# Altium PCB USB2CAN.PcbDoc
Units mil, origin at the board's own origin, x right, y up, seen from the top; angles counter-clockwise.
Board outline 1830.71 x 1220.47 mil, 2 copper layers (Top Layer, Bottom Layer); 52 components, 47 nets, 301 pads, 79 vias.
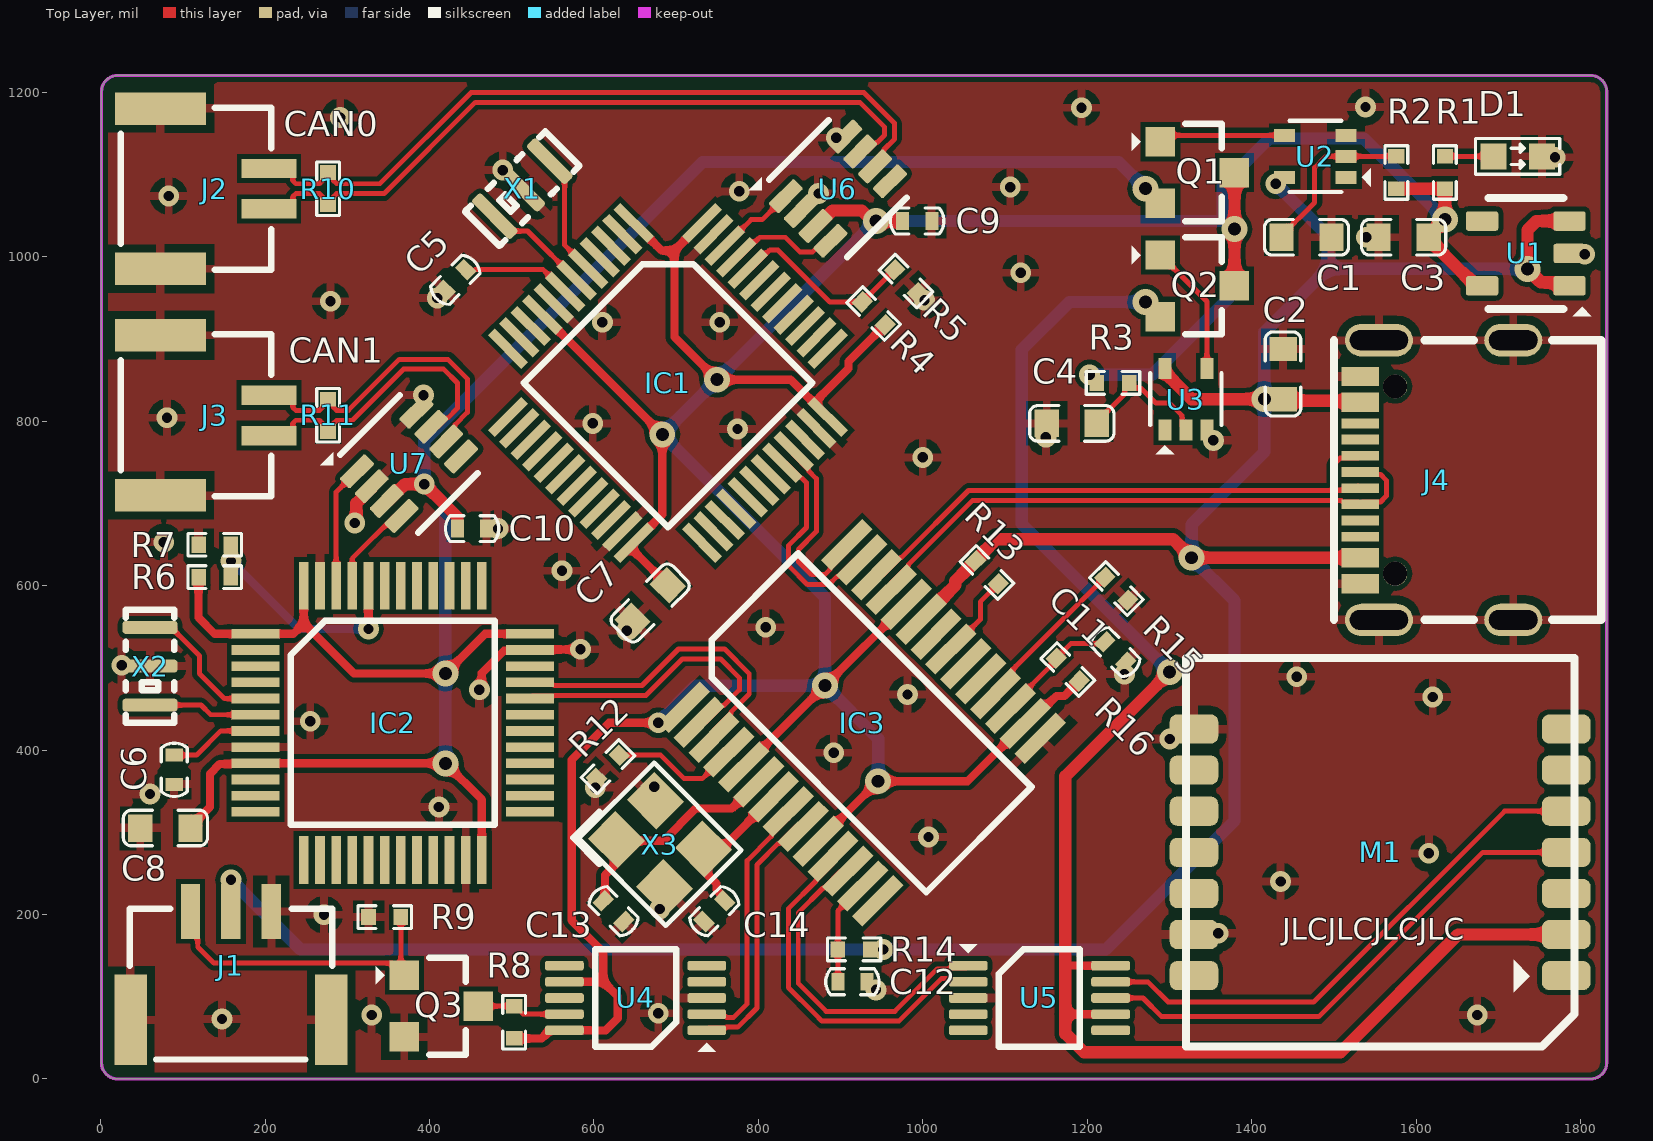
[diagram p0: Top Layer view]
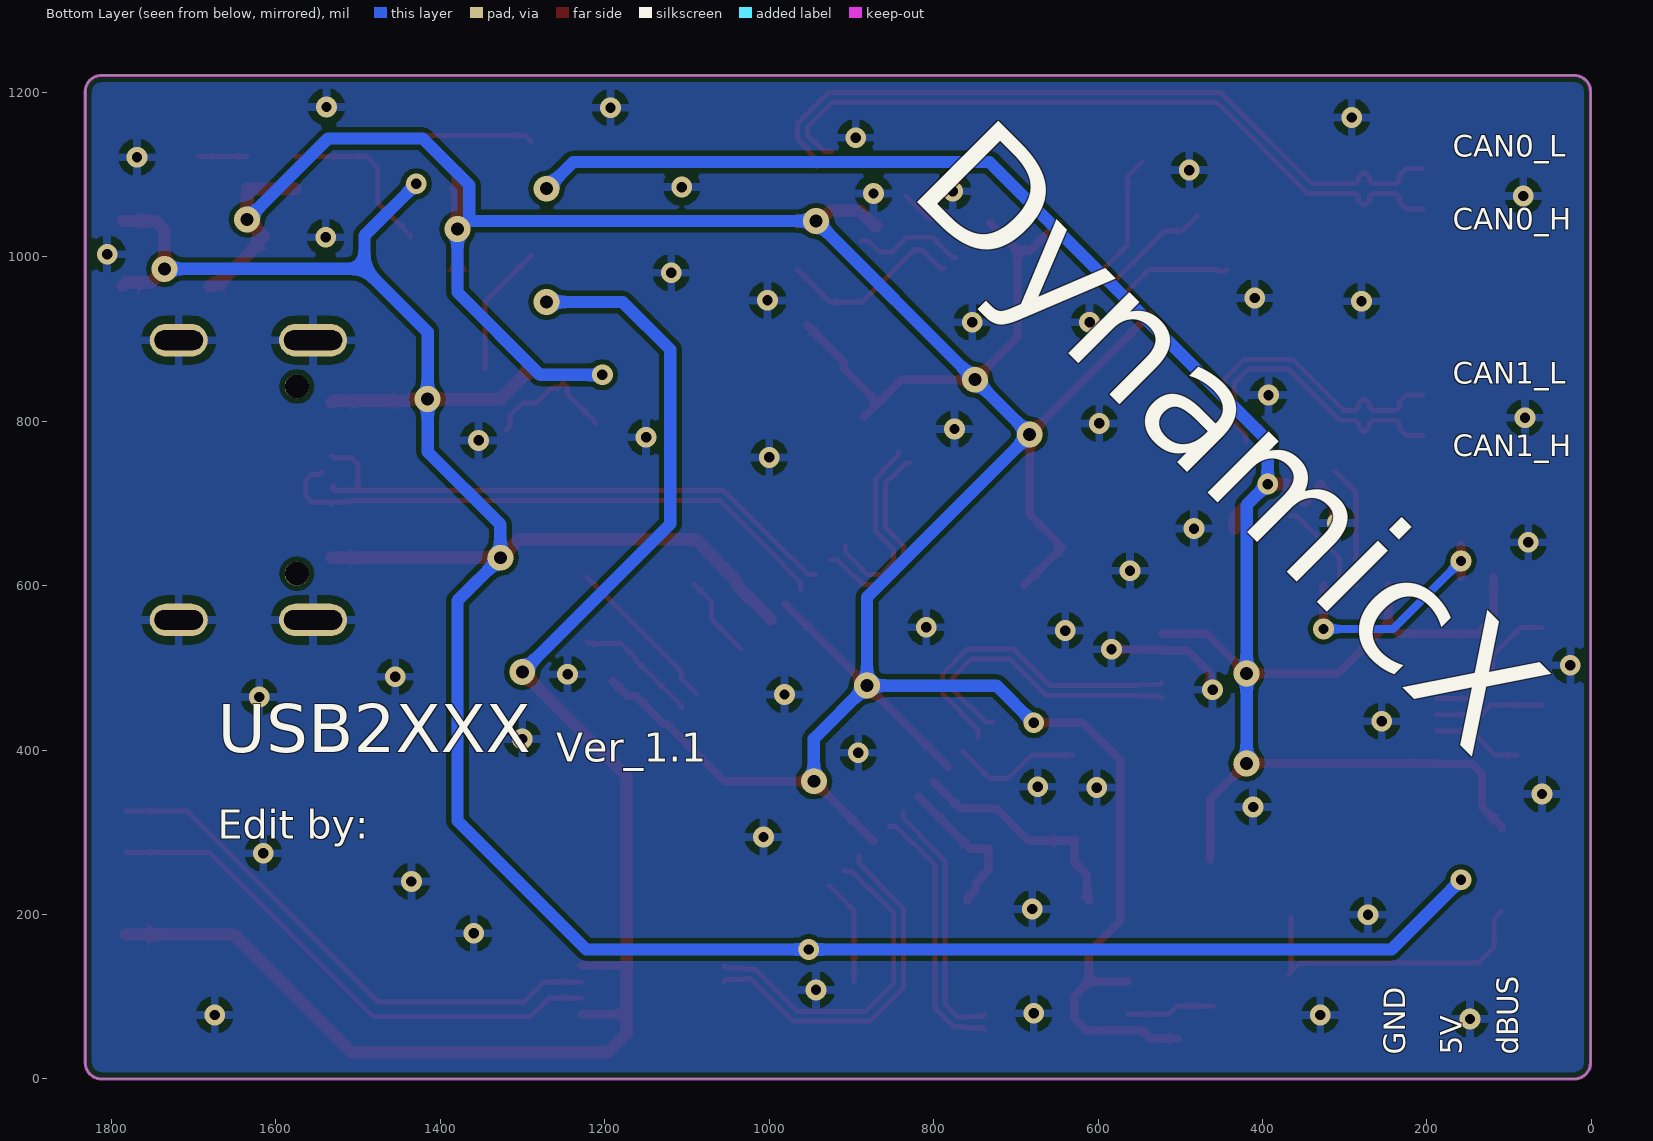
[diagram p1: Bottom Layer view, seen from below]
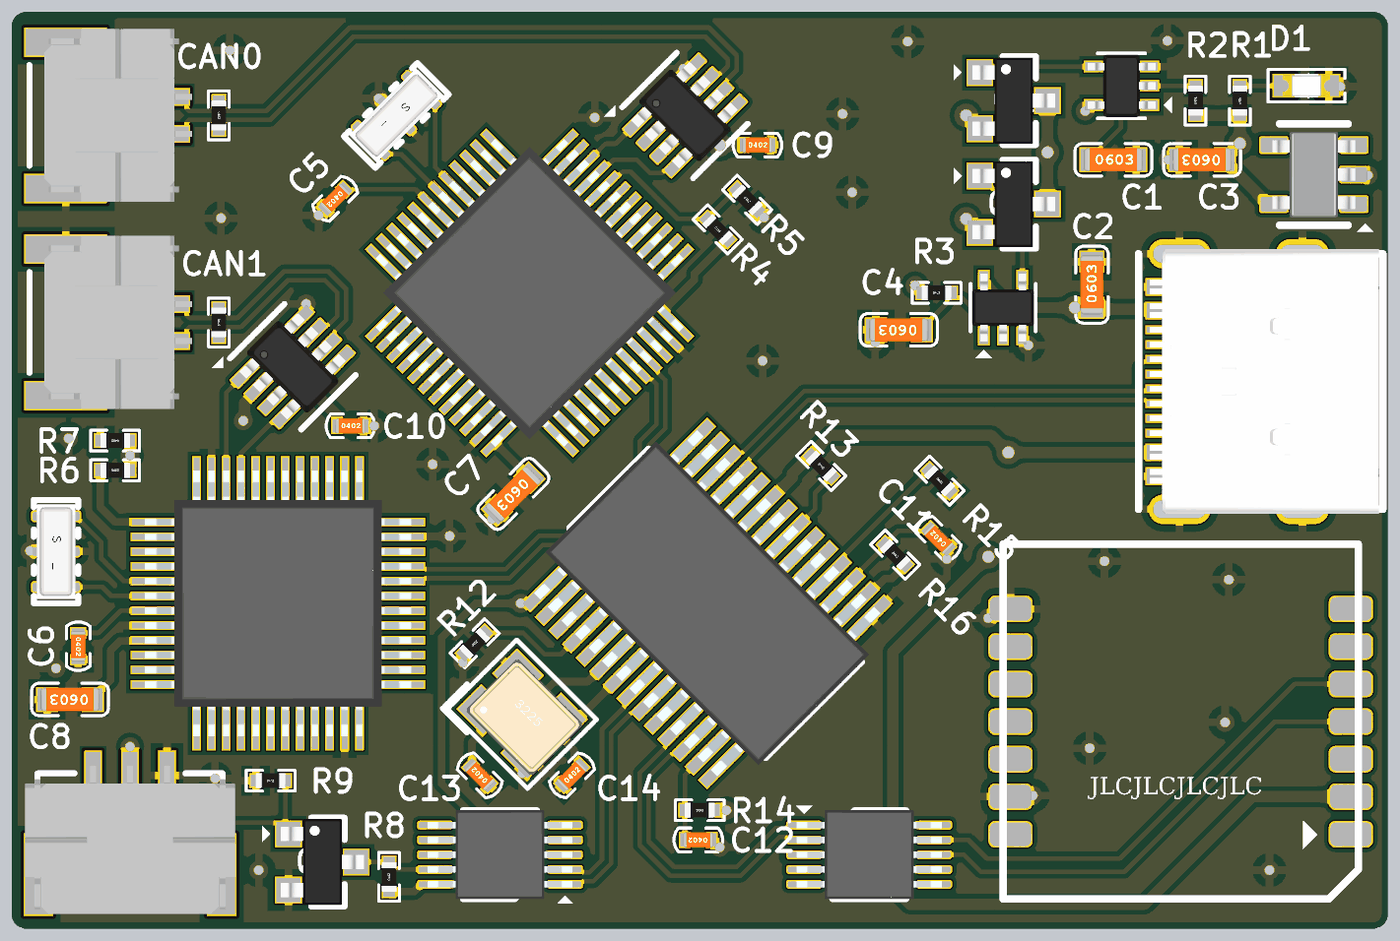
[diagram p2: 3D render of the assembled board from above, using the file's embedded part models]

## Layer stack, top to bottom
Top Solder: solder mask 0.4, Solder Resist, Dk 3.5
Top Layer: signal copper 1.4
Dielectric 1: dielectric 12.6, FR-4, Dk 4.8
Bottom Layer: signal copper 1.4
Bottom Solder: solder mask 0.4, Solder Resist, Dk 3.5

## Board outline
0.98,19.69 0.98,1200.79 cw(c20.67,1200.79) 20.67,1220.47 1812.01,1220.47 cw(c1812.01,1200.79) 1831.69,1200.79 1831.69,19.69 cw(c1812.01,19.69) 1812.01,0 20.67,0 cw(c20.67,19.69)

## Design rules (kind name [scope] priority, off if disabled: settings)
Clearance [All] p1: gap=6 ignorepadtopadclearanceinfootprint=TRUE except(0: Arc-Hole Track-Hole SMDPad-Hole THPad-Hole Via-Hole Fill-Hole Poly-Hole Region-Hole Text-Hole)
DiffPairsRouting [All] p1: maxlimit=10 minlimit=6 mostfreqgap=6 toplayer_minwidth=6 toplayer_maxwidth=15 toplayer_prefwidth=6 bottomlayer_minwidth=6 bottomlayer_maxwidth=15 bottomlayer_prefwidth=6 maxuncoupledlength=500
HoleSize [All] p1: absolutevalues=TRUE maxlimit=500 minlimit=1 maxpercent=80.000 minpercent=20.000
HoleToHoleClearance [All] p1: gap=1 allowstackedmicrovias=TRUE
MinimumSolderMaskSliver [All] p1: minsoldermaskwidth=1
PasteMaskExpansion [All] p1: expansion=-1.97
PlaneClearance [All] p1: clearance=10
PlaneConnect [All] p1: planeconnectstyle=Direct reliefexpansion=20 reliefentries=4 reliefconductorwidth=10 reliefairgap=10
PolygonConnect [All] p1: connectstyle=Relief reliefconductorwidth=10 reliefentries=4 polygonreliefangle="90 Angle" airgapwidth=10
RoomDefinition USB2ANY [InComponentClass('USB2ANY')] p1: confinementstyle=ConfineOut formatcopy=TRUE lockcomponents=FALSE outline 1855.04,32.87 2506.89,32.87 2506.89,632.87 1855.04,632.87
RoutingVias [All] p1: holewidth=12.6 width=25.2 viastyle="Through Hole" minholewidth=12.6 minwidth=25.2 maxholewidth=39.37 maxwidth=78.74
SilkToSilkClearance [All] p1: silktosilkclearance=1
SilkToSolderMaskClearance [IsPad] p1: minsilkscreentomaskgap=1 clearancetoexposedcopper=TRUE
SolderMaskExpansion [All] p1: expansion=1.97 istentingtop=FALSE
Width [All] p1: maxlimit=30 minlimit=6 preferedwidth=6
21 further rules are at their usual default settings.

## Classes and differential pairs
differential pair USB: +USB_P -USB_N
differential pair USB4D: +USB4D_P -USB4D_N
differential pair USB3D: +USB3D_P -USB3D_N
differential pair USB1D: +USB1D_P -USB1D_N
differential pair USB0D: +USB0D_P -USB0D_N
differential pair CAN1: +CAN1_P -CAN1_N
differential pair CAN0: +CAN0_P -CAN0_N

## Components (designator, comment, footprint, x,y, rotation, side; value= is the part's Value field where it differs from the comment)
C1 "10uF" 0603C(M1608C) 1436.02,1023.62 r0 top
C2 "10uF" 0603C(M1608C) 1437.99,826.77 r90 top
C3 "10uF" 0603C(M1608C) 1615.16,1023.62 r180 top
C4 "10uF" 0603C(M1608C) 1211.61,797.24 r180 top
C5 "100nF" 0402C(M1005C) 443.9,984.25 r225 top
C6 "100nF" 0402C(M1005C) 89.57,393.7 r270 top
C7 "10uF" 0603C(M1608C) 689.96,600.39 r225 top
C8 "10uF" 0603C(M1608C) 109.25,305.12 r180 top
C9 "100nF" 0402C(M1005C) 975.39,1043.31 r0 top
C10 "100nF" 0402C(M1005C) 434.06,669.29 r0 top
C11 "100nF" 0402C(M1005C) 1246.51,506.44 r135 top
C12 "100nF" 0402C(M1005C) 932.09,118.11 r180 top
C13 "10pF" 0402C(M1005C) 636.28,191.48 r135 top
C14 "10pF" 0402C(M1005C) 733.8,191.48 r45 top
D1 "LED" LED0603 1752.95,1122.05 r180 top
IC1 "STM32F072CBT6TR" QFP50P900X900X160-48N 689.96,846.46 r315 top
IC2 "STM32F072CBT6TR" QFP50P900X900X160-48N 355.32,433.07 r0 top
IC3 "GL850G-HH" SOP65P780X200-28N 926.18,433.07 r45 top
J1 "X1251WRS-03HF-LPSW" GH1.25-3P 158.46,137.8 r180 top
J2 "CAN0" GH1.25-2P 138.78,1082.68 r90 top
J3 "CAN1" GH1.25-2P 138.78,807.09 r90 top
J4 "TYPE-C16PIN" "Type-C 16P" 1625,728.35 r90 top
M1 "HI229 - imu" "HI229 - imu" 1556.1,275.59 r180 top
Q1 "AO3400" SOT23 1333.94,1102.36 r270 top
Q2 "AO3400" SOT23 1333.94,964.57 r270 top
Q3 "MMBT2222" SOT23 414.37,88.58 r270 top
R1 "1k" 0402R 1634.84,1082.68 r90 top
R2 "10k" 0402R 1575.79,1082.68 r90 top
R3 "10k" 0402R 1211.61,846.46 r0 top
R4 "R" 0402R 954.02,917.04 r135 top
R5 "1k" 0402R 965.55,984.25 r315 top
R6 "R" 0402R 119.09,610.24 r0 top
R7 "1k" 0402R 158.46,649.61 r180 top
R8 "4.7k" 0402R 502.95,49.21 r90 top
R9 "4.7k" 0402R 325.79,196.85 r0 top
R10 "120ohm" 0402R 276.57,1102.36 r270 top
R11 "120ohm" 0402R 276.57,826.77 r270 top
R12 "680ohm" 0402R 603.07,365.86 r45 top
R13 "10k" 0402R 1091.82,602.08 r135 top
R14 "10k" 0402R 936.02,157.48 r180 top
R15 "100k" 0402R 1221.46,610.24 r315 top
R16 "10k" 0402R 1190.24,483.97 r135 top
U1 "HX9193-33GB" SOT23_5 1733.27,1003.94 r90 top
U2 "74LVC1G17GW" SOT353 1477.36,1122.05 r90 top
U3 "74LVC1G17GW" SOT353 1319.88,826.77 r0 top
U4 "CH340E" VSSOP10 650.59,98.43 r180 top
U5 "CH340E" VSSOP10 1141.73,98.43 r0 top
U6 "MAX3051" SOT23_8 896.65,1082.68 r315 top
U7 "MAX3051" SOT23_8 375,748.03 r315 top
X1 "8MHz" X_3212-3pin 512.8,1082.68 r225 top
X2 "8MHz" X_3212-3pin 60.04,501.97 r270 top
X3 "12MhZ" "OSC 3225-4P" 680.12,285.43 r315 top

## Footprints (in the part's own frame and the unit in brackets; to place one, negate y for a bottom-side part, rotate by r counter-clockwise, add the part's x,y. Pads: shape width x height; smd on the part's side, far side on the other; paste and mask are expansions set on the pad)
0402C(M1005C) [mm]
  rect 0.4x0.55 smd mask+0.05: 1(0,0) 2(0.9,0)
  silkscreen extent -0.37,-0.4 1.27,0.4, body extent -0.06,-0.25 0.96,0.25, height 0.51
0402R [mm]
  rect 0.45x0.5 smd mask+0.05: 1(0,0) 2(1,0)
  silkscreen extent -0.33,-0.35 1.33,0.35, body extent 0,-0.25 1,0.25, height 0.35
0603C(M1608C) [mm]
  rect 0.75x0.85 smd mask+0.05: 1(0,0) 2(1.55,0)
  silkscreen extent -0.53,-0.55 2.07,0.55, body extent -0.23,-0.39 1.78,0.39, height 0.79
GH1.25-2P [mm]
  rect 0.6x1.7 smd mask+0.1: 1(-0.625,-1.675) 2(0.625,-1.675)
  rect 1x2.8 smd mask+0.1: 3(-2.475,1.675) 4(2.475,1.675)
  silkscreen extent -2.5,-1.75 2.5,2.9, body extent -2.93,-2.6 2.92,2.4, height 5.55
GH1.25-3P [mm]
  rect 0.6x1.7 smd mask+0.1: 1(-1.25,-1.675) 2(0,-1.675) 3(1.25,-1.675)
  rect 1x2.8 smd mask+0.1: 4(-3.1,1.675) 5(3.1,1.675)
  silkscreen extent -3.12,-1.75 3.13,2.9, body extent -3.55,-2 3.55,3, height 5.55
"HI229 - imu" [mm]
  rrect50% 1.5x0.9 smd: 5(-5.75,3.81) 6(-5.75,2.54) 7(-5.75,1.27) 8(-5.75,0) 9(-5.75,-1.27) 10(-5.75,-2.54) 11(-5.75,-3.81) 19(5.75,-3.81) 20(5.75,-2.54) 21(5.75,-1.27) 22(5.75,0) 23(5.75,1.27) 24(5.75,2.54) 25(5.75,3.81)
  silkscreen extent -6,-6 6,6
LED0603 [mm]
  rect 0.8x0.8 smd mask+0.1: 1(1.5,0) 2(0,0)
  silkscreen extent -0.55,-0.55 2.05,0.55, body extent -0.05,-0.4 1.55,0.4, height 0.65
"OSC 3225-4P" [mm]
  rect 1.3x1.2 smd: 1(-1.05,-0.85) 2(1.05,-0.85) 3(1.05,0.85) 4(-1.05,0.85)
  silkscreen extent -2.03,-1.75 1.9,1.65, body extent -1.47,-1.27 1.73,1.23, height 0.7
QFP50P900X900X160-48N [mm]
  rect 1.475x0.3 smd: 1(-4.238,2.75) 2(-4.238,2.25) 3(-4.238,1.75) 4(-4.238,1.25) 5(-4.238,0.75) 6(-4.238,0.25) 7(-4.238,-0.25) 8(-4.238,-0.75) 9(-4.238,-1.25) 10(-4.238,-1.75) 11(-4.238,-2.25) 12(-4.238,-2.75) 25(4.238,-2.75) 26(4.238,-2.25) 27(4.238,-1.75) 28(4.238,-1.25) 29(4.238,-0.75) 30(4.238,-0.25) 31(4.238,0.25) 32(4.238,0.75) 33(4.238,1.25) 34(4.238,1.75) 35(4.238,2.25) 36(4.238,2.75)
  rect 0.3x1.475 smd: 13(-2.75,-4.238) 14(-2.25,-4.238) 15(-1.75,-4.238) 16(-1.25,-4.238) 17(-0.75,-4.238) 18(-0.25,-4.238) 19(0.25,-4.238) 20(0.75,-4.238) 21(1.25,-4.238) 22(1.75,-4.238) 23(2.25,-4.238) 24(2.75,-4.238) 37(2.75,4.238) 38(2.25,4.238) 39(1.75,4.238) 40(1.25,4.238) 41(0.75,4.238) 42(0.25,4.238) 43(-0.25,4.238) 44(-0.75,4.238) 45(-1.25,4.238) 46(-1.75,4.238) 47(-2.25,4.238) 48(-2.75,4.238)
  silkscreen extent -3.15,-3.15 3.15,3.15, body extent -4.5,-4.5 4.5,4.5, height 1.6
SOP65P780X200-28N [mm]
  rect 1.8x0.45 smd: 1(-3.55,4.225) 2(-3.55,3.575) 3(-3.55,2.925) 4(-3.55,2.275) 5(-3.55,1.625) 6(-3.55,0.975) 7(-3.55,0.325) 8(-3.55,-0.325) 9(-3.55,-0.975) 10(-3.55,-1.625) 11(-3.55,-2.275) 12(-3.55,-2.925) 13(-3.55,-3.575) 14(-3.55,-4.225) 15(3.55,-4.225) 16(3.55,-3.575) 17(3.55,-2.925) 18(3.55,-2.275) 19(3.55,-1.625) 20(3.55,-0.975) 21(3.55,-0.325) 22(3.55,0.325) 23(3.55,0.975) 24(3.55,1.625) 25(3.55,2.275) 26(3.55,2.925) 27(3.55,3.575) 28(3.55,4.225)
  silkscreen extent -2.3,-5.1 2.3,5.1, body extent -3.9,-5.1 3.9,5.1, height 2
SOT23 [mm] "SOT23"
  rect 0.91x0.91 smd: 1(-0.952,-1.143) 2(0.952,-1.143) 3(0,1.143)
  silkscreen extent -1.5,-2.03 1.5,0.75, body extent -1.45,-1.4 1.45,1.4, height 1.3
SOT23_5 [mm] "SOT23_5"
  rrect25% 0.6x1 smd: 1(-1,-1.35) 3(1,-1.35) 4(1,1.35) 5(-1,1.35)
  rrect25% 0.6x0.99 smd: 2(0,-1.35)
  silkscreen extent -1.94,-2.02 1.71,1.15, body extent -1.45,-1.4 1.45,1.4, height 1.12
SOT23_8 [mm] "SOT23_8"
  rrect25% 0.45x1.1 smd mask+0.05: 1(-0.975,-1.3) 2(-0.325,-1.3) 3(0.325,-1.3) 4(0.975,-1.3) 5(0.975,1.3) 6(0.325,1.3) 7(-0.325,1.3) 8(-0.975,1.3)
  silkscreen extent -1.91,-1.97 1.7,1.3, body extent -1.47,-1.4 1.47,1.4, height 1.2
SOT353 [mm] "SOT353"
  rect 0.4x0.65 smd mask+0.05: 1(-0.65,-0.95) 2(0,-0.95) 3(0.65,-0.95) 4(0.65,0.95) 5(-0.65,0.95)
  silkscreen extent -1.1,-1.71 1.1,0.8, body extent -1.05,-1.15 1.05,1.15, height 1
"Type-C 16P" [mm]
  oval 1x2.099 hole 0.61 slot 1.8 at 90 deg: 1(-4.32,1.788) 2(4.32,1.787)
  oval 1x1.799 hole 0.61 slot 1.5 at 90 deg: 3(-4.32,-2.363) 4(4.32,-2.363)
  rect 0.6x1.15 smd: A1B12(-3.2,2.363) A4B9(-2.4,2.363) B1A12(3.2,2.363) B4A9(2.4,2.363)
  rect 0.3x1.15 smd: A5(-1.25,2.363) A6(-0.25,2.363) A7(0.25,2.363) A8(-1.75,2.363) B5(1.75,2.363) B6(0.75,2.363) B7(-0.75,2.363) B8(1.25,2.363)
  round 0.75 hole 0.75 unplated: ""(-2.89,1.288) ""(2.89,1.288)
  silkscreen extent -4.32,-5.08 4.32,3.17, body extent -4.48,-4.95 4.48,2.8, height 3.26
VSSOP10 [mm]
  rrect50% 1.2x0.3 smd mask+0.05: 1(-2.2,1) 2(-2.2,0.5) 3(-2.2,0) 4(-2.2,-0.5) 5(-2.2,-1) 6(2.2,-1) 7(2.2,-0.5) 8(2.2,0) 9(2.2,0.5) 10(2.2,1)
  silkscreen extent -2.48,-1.5 1.25,1.66, body extent -2.45,-1.5 2.45,1.5, height 1.1
X_3212-3pin [mm]
  rrect50% 0.4x1.7 smd mask+0.05: 1(-1.2,0) 2(0,0) 3(1.2,0)
  silkscreen extent -1.75,-0.75 1.75,0.75, body extent -1.6,-0.65 1.6,0.65, height 1.02

## Part data
C1 C2 C3 C4 C5 C6 C7 C8 C9 C10 C11 C12 C13 C14: library part C, PSPICETEMPLATE="X^@REFDES  %1    %2   @NV_PN", IMPLEMENTATION_TYPE="Pspice Model", OriginalSymbolOrigin=(-50,50)
IC1 IC2: "Integrated Circuit", Manufacturer_Name=STMicroelectronics, Mouser Part Number=511-STM32F072CBT6TR, RS Part Number=1923612, Datasheet Link=https://www.mouser.com/datasheet/2/389/stm32f072c8-956183.pdf, Height=1.6mm, Manufacturer_Part_Number=STM32F072CBT6TR, Mouser Price/Stock=https://www.mouser.com/Search/Refine.aspx?Keyword=511-STM32F072CBT6TR, RS Price/Stock=http://uk.rs-online.com/web/p/products/1923612
IC3: "Integrated Circuit", Manufacturer_Name=Genesys, Arrow Part Number=GL850G-HH, Datasheet Link=https://www.kean.com.au/oshw/WR703N/GL850G%20USB%20Hub%201.07.pdf, Height=2mm, Manufacturer_Part_Number=GL850G-HH
J1: library part CON_GH1.25_3P, ComponentLink1Description="Materials' link", ComponentLink1URL=https://item.szlcsc.com/363978.html
J2 J3: library part CON_GH1.25_2P, ComponentLink1Description="Materials' link", ComponentLink1URL=https://item.szlcsc.com/363977.html
J4: library part CON_USB3#1, BOM_Manufacturer="SHOU HAN", BOM_Manufacturer Part=TYPE-C16PIN, BOM_Supplier=LCSC, BOM_Supplier Part=C393939, ComponentLink1Description="Materials' link", ComponentLink1URL=https://item.szlcsc.com/372551.html, Contributor=LCSC, spicePre=U, spiceSymbolName=TYPE-C16PIN
M1: library part MD_IMU
Q1 Q2: library part Q_FET_N
Q3: library part Q_NPN, PSPICETEMPLATE="X^@REFDES %C %B %E @NV_PN", IMPLEMENTATION_TYPE="Pspice Model", OriginalSymbolOrigin=(-50,150)
R1 R2 R3 R5 R7 R8 R9 R10 R11 R12 R13 R14 R15 R16: library part R, PSPICETEMPLATE="X^@REFDES  %1    %2   @NV_PN", IMPLEMENTATION_TYPE="Pspice Model", OriginalSymbolOrigin=(-50,100)
R4 R6: PSPICETEMPLATE="X^@REFDES  %1    %2   @NV_PN", IMPLEMENTATION_TYPE="Pspice Model", OriginalSymbolOrigin=(-50,100)
U1: library part U_LDO, ComponentLink1Description="Materials' link", ComponentLink1URL=https://item.szlcsc.com/241915.html
U2 U3: library part U_Schmitt, ComponentLink1Description="Materials' link", ComponentLink1URL=https://item.szlcsc.com/125568.html
U4 U5: library part U_UART_TRANS
U6 U7: library part U_CAN_TRANS#1, ComponentLink1Description="Materials' link", ComponentLink1URL=https://item.szlcsc.com/113237.html
X1 X2: library part XTAL_3P, "3脚陶瓷振荡器"
X3: library part XTAL_4P, "4脚无源晶振"

## Via types
v1: diameter 25.2, hole 12.6, Top Layer to Bottom Layer, tented both sides, 64 vias
v2: diameter 31.5, hole 15.75, Top Layer to Bottom Layer, tented both sides, 15 vias

## Nets (pads, with @x,y where several pads share a name; then routed paths per layer and width w, separated by ;. In a path a pad name is that pad's centre, name@x,y a point inside that pad or via, vN(x,y) a via of type N, cw(c..) or ccw(c..) an arc to the next point about the centre after c; other vN are vias at no path point)
+3.3: C3.1 C7.1 C9.1 IC1.1 IC1.9 IC1.24 IC1.36 IC1.48 IC3.1 IC3.5 IC3.10 IC3.16 IC3.24 Q1.3 Q2.3 R1.1 R2.1 R3.1 R4.1 R8.1 R16.1 U1.5 U4.7 U4.10 U6.3 | length 5008.8
  Top Layer w10: R8.1 536.42,49.21 546.26,59.06 U4.10 614.17,59.06 628.94,73.82 628.94,100.44 611.27,118.11 ; IC1.9 v2(683.07,783.75) 683.07,686.45 IC1.24 644.13,647.51 644.13,646.23 C7.1 ; U4.7 611.27,118.11 ; IC1.1 682.09,1007.44 697.83,1007.44 ; v1(678.15,433.07) 618.11,433.07 572.83,387.8 572.83,192.91 611.27,154.48 611.27,118.11 ; IC1.48 697.83,1007.44 ; IC3.5 v2(880.94,478.31) IC3.24 ; IC3.10 v2(945.64,362.05) 1054.21,362.05 IC3.16 1128.89,432.38 1162.37,465.86 1172.13,465.86 R16.1 ; IC1.36 IC1.36@868.14,821.39 ; R4.1 909.37,872.39 909.37,863.89 868.14,822.67 IC1.36@868.14,821.39 ; 697.83,1007.44 697.83,902.27 v2(749.72,850.39) 839.14,850.39 IC1.36@868.14,821.39
  Top Layer w15: U6.3 871.43,1037.44 890.1,1056.1 925.65,1056.1 938.45,1043.31 v2(942.91,1043.31) C9.1 ; Q2.3 v2(1378.94,1033.46) Q1.3 ; R2.1 R1.1 v2(1634.84,1045.28) 1615.16,1025.59 C3.1 1622.42,1016.36 1622.42,1014.39 1672.24,964.57 U1.5
  Bottom Layer w15: v1(678.15,433.07) 723.39,478.31 v2(880.94,478.31) ; v2(945.64,362.05) 945.64,413.61 v2(880.94,478.31) ; v1(1202.76,856.3) 1278.54,856.3 1378.94,956.69 v2(1378.94,1033.46) ; v2(1634.84,1045.28) 1536.42,1143.7 1421.26,1143.7 1364.63,1087.07 1364.63,1043.31 v2(942.91,1043.31) 942.77,1043.31 749.86,850.39 v2(749.72,850.39) v2(683.07,783.75) 880.94,585.88 v2(880.94,478.31)
+3.3*: C8.1 C10.1 IC2.1 IC2.9 IC2.24 IC2.36 IC2.48 Q1.2 R6.1 U7.3 | length 2619.4
  Top Layer w10: C8.1 109.25,307.09 132.87,330.71 132.87,371.06 144.76,382.95 187.56,382.95 IC2.9 v2(419.29,383.86) 463.58,339.57 IC2.24 ; R6.1 119.09,561.02 138.78,541.34 IC2.1 234.25,541.34 247.05,554.13 ; IC2.48 247.05,554.13 ; IC2.36 467.52,541.34 v2(419.29,493.11) 308.07,493.11 247.05,554.13
  Top Layer w15: U7.3 349.78,702.79 370.41,723.43 v1(393.7,723.43) 434.06,683.07 C10.1
  Bottom Layer w15: v2(419.29,383.86) v2(419.29,493.11) 419.29,697.83 v1(393.7,723.43) 393.7,776.57 732.28,1115.16 1238.19,1115.16 v2(1270.67,1082.68)
+3.3**: M1.6 Q2.2 U5.7 U5.10 | length 1922.5
  Top Layer w10: 1173.23,78.74 U5.7 ; 1173.23,139.76 1175.2,137.8 U5.10
  Top Layer w15: v2(1300.2,495.08) 1173.23,368.11 1173.23,139.76 1173.23,78.74 1173.23,55.12 1195.87,32.48 1507.87,32.48 1650.98,175.59 M1.6
  Bottom Layer w15: v2(1270.67,944.88) 1178.15,944.88 1120.08,886.81 1120.08,675.2 v2(1300.2,495.08)
+5: C2.1 IC3.23 J1.2 J4.A4B9 J4.B4A9 R13.2 R14.1 U1.1 U1.3 U2.5 U3.5 | length 3463.2
  Top Layer w15: IC3.23 1039.49,600.66 1039.49,605.43 R13.2 1062.99,629.92 1089.57,656.5 1304.19,656.5 v2(1326.83,633.86) J4.A4B9 ; U3.5 1294.29,859.25 1326.77,826.77 v2(1415.35,826.77) C2.1 1439.96,824.8 1530.02,824.8 J4.B4A9 ; U1.1 1782.11,968.88 1751.59,968.88 v2(1735.24,985.24) 1735.24,1032.48 1746.06,1043.31 U1.3
  Bottom Layer w15: v1(158.46,242.13) 243.11,157.48 v1(951.77,157.48) 1222.44,157.48 1378.94,313.98 1378.94,581.75 v2(1326.83,633.86) 1326.83,674.27 1415.35,762.8 v2(1415.35,826.77) 1415.35,908.46 1492.13,985.24 ; v1(1429.13,1088.58) 1492.13,1025.59 1492.13,985.24 ; v2(1735.24,985.24) 1492.13,985.24
CAN0_N: J2.1 R10.2 U6.7 | length 882.5
  Top Layer w6: J2.1 225.07,1058.07 233.88,1066.88 233.88,1073.16 237.39,1076.68 266.22,1076.68 269.73,1073.16 269.73,1068.85 275.59,1062.99 R10.2 277.56,1062.99 283.42,1068.85 283.42,1073.16 286.93,1076.68 344.61,1076.68 455.61,1187.68 923.28,1187.68 953.45,1157.5 953.45,1147.96 944.28,1138.79 942.95,1138.79 932.08,1127.92 U6.7
CAN0_P: J2.2 R10.1 U6.6 | length 912.3
  Top Layer w6: J2.2 225.07,1107.28 233.88,1098.47 233.88,1092.19 237.39,1088.68 266.22,1088.68 269.73,1092.19 269.73,1096.5 275.59,1102.36 R10.1 277.56,1102.36 283.42,1096.5 283.42,1092.19 286.93,1088.68 339.64,1088.68 450.64,1199.68 928.25,1199.68 965.45,1162.47 965.45,1142.99 952.76,1130.3 952.76,1128.98 941.89,1118.11 U6.6
CAN0_RX: IC1.45 U6.4 | length 137.5
  Top Layer w6: IC1.45 777.25,999.24 801.64,1023.62 832.68,1023.62 850.39,1005.91 865.88,1005.91 879.32,1019.34 U6.4
CAN0_TX: IC1.46 U6.1 | length 99.1
  Top Layer w6: IC1.46 791.04,1044.98 804.67,1044.98 U6.1
CAN1_N: J3.1 R11.2 U7.7 | length 361.8
  Top Layer w6: J3.1 225.07,782.48 233.88,791.29 233.88,797.57 237.39,801.09 249.09,801.09 266.22,801.09 269.73,797.57 269.73,793.26 275.59,787.4 R11.2 277.56,787.4 283.42,793.26 283.42,797.57 286.93,801.09 306.25,801.09 368.35,863.19 417.32,863.19 434.06,846.46 434.06,815.57 422.62,804.14 421.3,804.14 410.43,793.27 U7.7
CAN1_P: J3.2 R11.1 U7.6 | length 391.6
  Top Layer w6: J3.2 225.07,831.69 233.88,822.88 233.88,816.6 237.39,813.09 244.12,813.09 266.22,813.09 269.73,816.6 269.73,820.91 275.59,826.77 R11.1 277.56,826.77 283.42,820.91 283.42,816.6 286.93,813.09 301.28,813.09 363.38,875.19 422.29,875.19 446.06,851.43 446.06,810.6 431.11,795.65 431.11,794.33 420.24,783.46 U7.6
CAN1_RX: IC2.45 U7.4 | length 114.4
  Top Layer w6: IC2.45 306.1,633.13 357.67,684.7 U7.4
CAN1_TX: IC2.46 U7.1 | length 149.5
  Top Layer w6: IC2.46 286.42,713.73 U7.1
CAN_ON: Q1.1 U2.4 | length 154.3
  Top Layer w6: Q1.1 1296.73,1147.64 U2.4
dBUS: J1.3 Q3.1 R9.2 | length 379
  Top Layer w6: J1.3 118.06,194.93 118.06,160.48 137.57,140.98 354.46,140.98 Q3.1@365.16,130.28 ; R9.2 Q3.1@365.16,130.28 ; Q3.1 Q3.1@365.16,130.28
GND: C1.2 C2.2 C3.2 C4.2 C5.2 C6.2 C7.2 C8.2 C9.2 C10.2 C11.1 C12.1 C13.1 C14.1 D1.2 IC1.8 IC1.23 IC1.35 IC1.47 IC2.8 IC2.23 IC2.35 IC2.47 IC3.15 J1.1 J1.4 J1.5 J2.3 J2.4 J3.3 J3.4 J4.1 J4.2 J4.3 J4.4 J4.A1B12 J4.B1A12 M1.19 M1.24 Q3.2 R5.2 R7.2 R9.1 R12.1 R15.2 U1.2 U2.3 U3.3 U4.3 U5.3 U6.2 U6.8 U7.2 U7.8 X1.2 X2.2 X3.2 X3.4 | length 207
  Top Layer w10: v1(460.63,473.43) 463.54,476.33 463.54,493.84 490.45,520.75 521.26,520.75 IC2.35 522.66,522.15 583.17,522.15 v1(583.66,522.64)
  Top Layer w15: v1(309.06,676.18) 311.01,678.13 311.01,700.21 329.76,718.97 U7.2
  other v1: 147.64,72.83 329.72,77.76 1674.21,77.76 678.15,79.72 942.91,108.27 1359.25,177.17 271.65,199.8 680.12,206.69 1435.04,240.16 1615.16,274.61 1006.89,294.29 411.42,330.71 60.04,346.46 601.38,354.33 673.23,355.32 891.73,396.65 1300.2,413.39 254.92,435.04 1620.08,464.57 981.3,467.52 1454.72,489.17 1245.08,492.13 25.59,502.95 639.76,545.28 809.06,549.21 561.02,618.11 76.77,652.56 483.27,669.29 1000,755.91 1353.35,776.57 1149.61,780.51 774.61,790.35 598.43,797.24 80.71,804.13 392.72,831.69 610.24,920.28 752.95,920.28 279.53,945.87 1001.97,946.85 409.45,949.8 1119.09,980.32 1805.12,1002.95 1539.37,1023.62 82.68,1073.82 873.03,1076.77 776.57,1079.72 1106.3,1084.65 489.17,1105.32 1768.7,1121.06 894.69,1144.69 291.34,1169.29 1192.91,1181.1 1538.39,1182.09
IMU_ON: Q2.1 U3.4 | length 161.3
  Top Layer w6: Q2.1 1345.47,945.51 U3.4
NetC1_1: C1.1 R2.2 U2.2 | length 206.5
  Top Layer w6: C1.1 1436.02,1025.59 1476.38,1065.94 1476.38,1108.27 1490.16,1122.05 U2.2 R2.2
NetC4_1: C4.1 R3.2 U3.2 | length 166.1
  Top Layer w6: C4.1 1211.61,799.21 1245.13,832.72 1245.13,840.6 R3.2 1250.98,845.47 1256.84,839.61 1265.7,839.61 1283.46,821.85 1300.2,821.85 1315.01,807.04 1315.01,794.24 U3.2
NetC5_1: C5.1 IC1.7 | length 133.9
  Top Layer w6: C5.1 445.99,982.16 452.88,982.16 454.97,984.25 538.25,984.25 IC1.7
NetC6_1: C6.1 IC2.7 | length 111.1
  Top Layer w6: C6.1 116.6,393.7 146.13,423.23 IC2.7
NetC11_2: C11.2 IC3.17 R16.2 | length 151.7
  Top Layer w6: IC3.17 1106.44,453.16 1162.4,509.12 R16.2 1180,529.41 1219.37,529.41 C11.2
NetC12_2: C12.2 IC3.13 R14.2 | length 129.1
  Top Layer w6: C12.2 R14.2 896.65,204.5 IC3.13
NetD1_1: D1.1 R1.2 | length 59.1
  Top Layer w6: R1.2 D1.1
NetIC1_5: IC1.5 X1.1 | length 150.1
  Top Layer w6: X1.1 564.3,1097.99 564.3,1013.88 IC1.5
NetIC1_6: IC1.6 X1.3 | length 131.8
  Top Layer w6: X1.3 497.48,1031.18 519.16,1031.18 IC1.6
NetIC1_44: IC1.44 R4.2 R5.1 | length 230.8
  Top Layer w6: IC1.44 791.17,985.32 813.73,1007.87 823.82,1007.87 886.81,944.88 916.5,944.88 917.2,944.19 925.49,944.19 R4.2 R5.1
NetIC2_5: IC2.5 X2.1 | length 177.1
  Top Layer w6: X2.1 85.63,549.21 120.18,514.67 120.18,492.85 150.43,462.6 IC2.5
NetIC2_6: IC2.6 X2.3 | length 133.3
  Top Layer w6: X2.3 121.98,454.72 133.79,442.91 IC2.6
NetIC2_44: IC2.44 R6.2 R7.1 | length 293.6
  Top Layer w10: R6.2 v1(158.46,629.92) R7.1 ; v1(325.79,547.24) IC2.44
  Bottom Layer w10: v1(158.46,629.92) 241.14,547.24 v1(325.79,547.24)
NetIC3_4: IC3.4 R12.2 | length 158.4
  Top Layer w6: R12.2 681.1,393.7 709.65,365.16 731.6,365.16 IC3.4
NetIC3_18: IC3.18 R15.1 | length 196.8
  Top Layer w6: IC3.18 1107.13,487.36 1107.13,495.91 R15.1
NetIC3_21: IC3.21 R13.1 | length 103.2
  Top Layer w6: IC3.21 1069.91,558.71 1069.91,580.18 R13.1
NetM1_8: M1.8 U5.8 | length 646.3
  Top Layer w6: U5.8 1267.72,98.43 1290.35,75.79 1481.3,75.79 1681.1,275.59 M1.8
NetM1_9: M1.9 U5.9 | length 660.5
  Top Layer w6: U5.9 1273.62,118.11 1298.23,93.5 1475.39,93.5 1707.48,325.59 M1.9
NetQ3_3: Q3.3 R8.2 U4.9 | length 108.7
  Top Layer w6: Q3.3 R8.2 503.94,88.58 513.78,78.74 U4.9
USB0D_N: IC1.32 IC3.27 | length 260.5
  Top Layer w6: IC1.32 832.93,749.35 851.11,731.18 852.43,731.18 858.43,725.18 858.43,670.68 836.66,648.91 836.66,623.97 859.34,601.29 885.75,601.29 895.26,610.81 896.59,610.81 917.2,631.42 IC3.27
USB0D_P: IC1.33 IC3.28 | length 240.7
  Top Layer w6: IC1.33 842.74,759.17 860.92,740.99 860.92,739.66 870.43,730.15 870.43,665.71 848.66,643.94 848.66,628.94 864.31,613.29 880.78,613.29 886.78,619.29 886.78,620.62 907.39,641.23 IC3.28
USB1D_N: IC2.32 IC3.2 | length 364.2
  Top Layer w6: IC2.32 525.07,465.5 550.78,465.5 551.72,466.44 663.29,466.44 707.68,510.83 753.94,510.83 776.84,487.93 776.84,473.16 758.05,454.38 756.73,454.38 736.11,433.77 IC3.2
USB1D_P: IC2.33 IC3.3 | length 394
  Top Layer w6: IC2.33 525.07,479.38 550.78,479.38 551.72,478.44 658.32,478.44 702.71,522.83 758.91,522.83 788.84,492.9 788.84,468.19 766.54,445.9 766.54,444.57 745.92,423.96 IC3.3
USB3D_N: IC3.8 U4.2 | length 312.1
  Top Layer w6: U4.2 740.11,75.83 760.4,75.83 761.34,74.9 769.83,74.9 786.23,91.3 786.23,265.41 815.79,294.97 815.79,296.3 836.4,316.91 IC3.8
USB3D_P: IC3.9 U4.1 | length 322
  Top Layer w6: U4.1 740.11,61.96 760.4,61.96 761.34,62.9 774.8,62.9 798.23,86.33 798.23,260.44 824.27,286.49 825.6,286.49 846.21,307.1 IC3.9
USB4D_N: IC3.11 U5.2 | length 440.9
  Top Layer w6: IC3.11 890.69,262.62 870.07,242.01 870.07,240.69 836.43,207.04 836.43,111.17 868.48,79.11 877.34,70.26 970.8,70.26 1022.5,121.95 1030.98,121.95 1031.92,121.02 1052.21,121.02 U5.2
USB4D_P: IC3.12 U5.1 | length 411
  Top Layer w6: IC3.12 900.5,252.81 879.88,232.2 878.56,232.2 848.43,202.07 848.43,116.14 882.31,82.26 965.83,82.26 1017.53,133.95 1030.98,133.95 1031.92,134.89 1052.21,134.89 U5.1
USB_N: IC3.25 J4.A7 J4.B7 | length 701.7
  Top Layer w6: IC3.25 961.68,603.52 982.29,624.13 982.29,625.46 1060.43,703.6 1509,703.6 1510.87,701.72 1529.08,701.72 J4.B7 1534.89,701.72 1556.48,701.72 1563.63,708.87 1563.63,728.14 1556.48,735.28 1546.89,735.28 J4.A7@1543.99,738.19
USB_P: IC3.26 J4.A6 J4.B6 | length 704.3
  Top Layer w6: IC3.26 951.87,613.33 972.48,633.94 973.8,633.94 1055.46,715.6 1500,715.6 ; J4.A6@1529.08,721.41 J4.A6 1529.08,715.6 1500,715.6 ; J4.B6 1529.08,754.97 1507.49,754.97 1500,747.47 1500,715.6
X1: C13.2 IC3.6 X3.1 | length 283.6
  Top Layer w10: C13.2 613.31,218.62 613.31,247.97 628.62,263.27 X3.1@628.62,289.61 ; X3.1 X3.1@628.62,289.61 ; IC3.6 767.56,328.74 723.43,328.74 684.29,289.61 X3.1@628.62,289.61
X2: C14.2 IC3.7 X3.3 | length 185.6
  Top Layer w10: C14.2 758.86,220.6 749.02,230.44 749.02,237.53 733.01,253.53 X3.3 754.88,279.87 IC3.7
pads on no net: IC1.2 IC1.3 IC1.4 IC1.10 IC1.11 IC1.12 IC1.13 IC1.14 IC1.15 IC1.16 IC1.17 IC1.18 IC1.19 IC1.20 IC1.21 IC1.22 IC1.25 IC1.26 IC1.27 IC1.28 IC1.29 IC1.30 IC1.31 IC1.34 IC1.37 IC1.38 IC1.39 IC1.40 IC1.41 IC1.42 IC1.43 IC2.2 IC2.3 IC2.4 IC2.10 IC2.11 IC2.12 IC2.13 IC2.14 IC2.15 IC2.16 IC2.17 IC2.18 IC2.19 IC2.20 IC2.21 IC2.22 IC2.25 IC2.26 IC2.27 IC2.28 IC2.29 IC2.30 IC2.31 IC2.34 IC2.37 IC2.38 IC2.39 IC2.40 IC2.41 IC2.42 IC2.43 IC3.14 IC3.19 IC3.20 IC3.22 J4. J4.A5 J4.A8 J4.B5 J4.B8 M1.5 M1.7 M1.10 M1.11 M1.20 M1.21 M1.22 M1.23 M1.25 U1.4 U2.1 U3.1 U4.4 U4.5 U4.6 U4.8 U5.4 U5.5 U5.6 U6.5 U7.5

## Polygon pours and split planes (outlines as drawn)
GND on Bottom Layer "GND_L02_P001" (solid, pour order 1): 0.98,19.69 0.98,1200.79 cw(c20.67,1200.79) 20.67,1220.47 1812.01,1220.47 cw(c1812.01,1200.79) 1831.69,1200.79 1831.69,19.69 cw(c1812.01,19.69) 1812.01,0 20.67,0 cw(c20.67,19.69)
GND on Top Layer "GND_L01_P000" (solid, pour order 0): 0.98,19.69 0.98,1200.79 cw(c20.67,1200.79) 20.67,1220.47 1812.01,1220.47 cw(c1812.01,1200.79) 1831.69,1200.79 1831.69,19.69 cw(c1812.01,19.69) 1812.01,0 20.67,0 cw(c20.67,19.69)

## Keep-outs
Keep-Out Layer:
  the board outline again, w3.94

## Silkscreen, mask and mechanical layers (free items; w line width, h text height)
Top Overlay:
  text "JLCJLCJLCJLC" at 1437.01,160.43 h45
Bottom Overlay:
  text "CAN0_L" at 168.31,1112.2 h45
  text "DynamicX" at 865.16,1047.24 h240 r45
  text "CAN0_H" at 168.31,1023.62 h45
  text "CAN1_L" at 168.31,836.61 h45
  text "CAN1_H" at 168.31,748.03 h45
  text "USB2XXX" at 1670.28,377.95 h100
  text "Ver_1.1" at 1258.86,374.02 h60
  text "Edit by:" at 1670.28,280.51 h60
  text "dBUS" at 79.72,29.53 h45 r270
  text "5V" at 148.62,29.53 h45 r270
  text "GND" at 217.52,29.53 h45 r270
Bottom Solder:
  region: 10133 vertices and 1 holes, not listed, extent 1463.16,153 1669.47,266.23